# Allegro board MB1045.brd (continued)
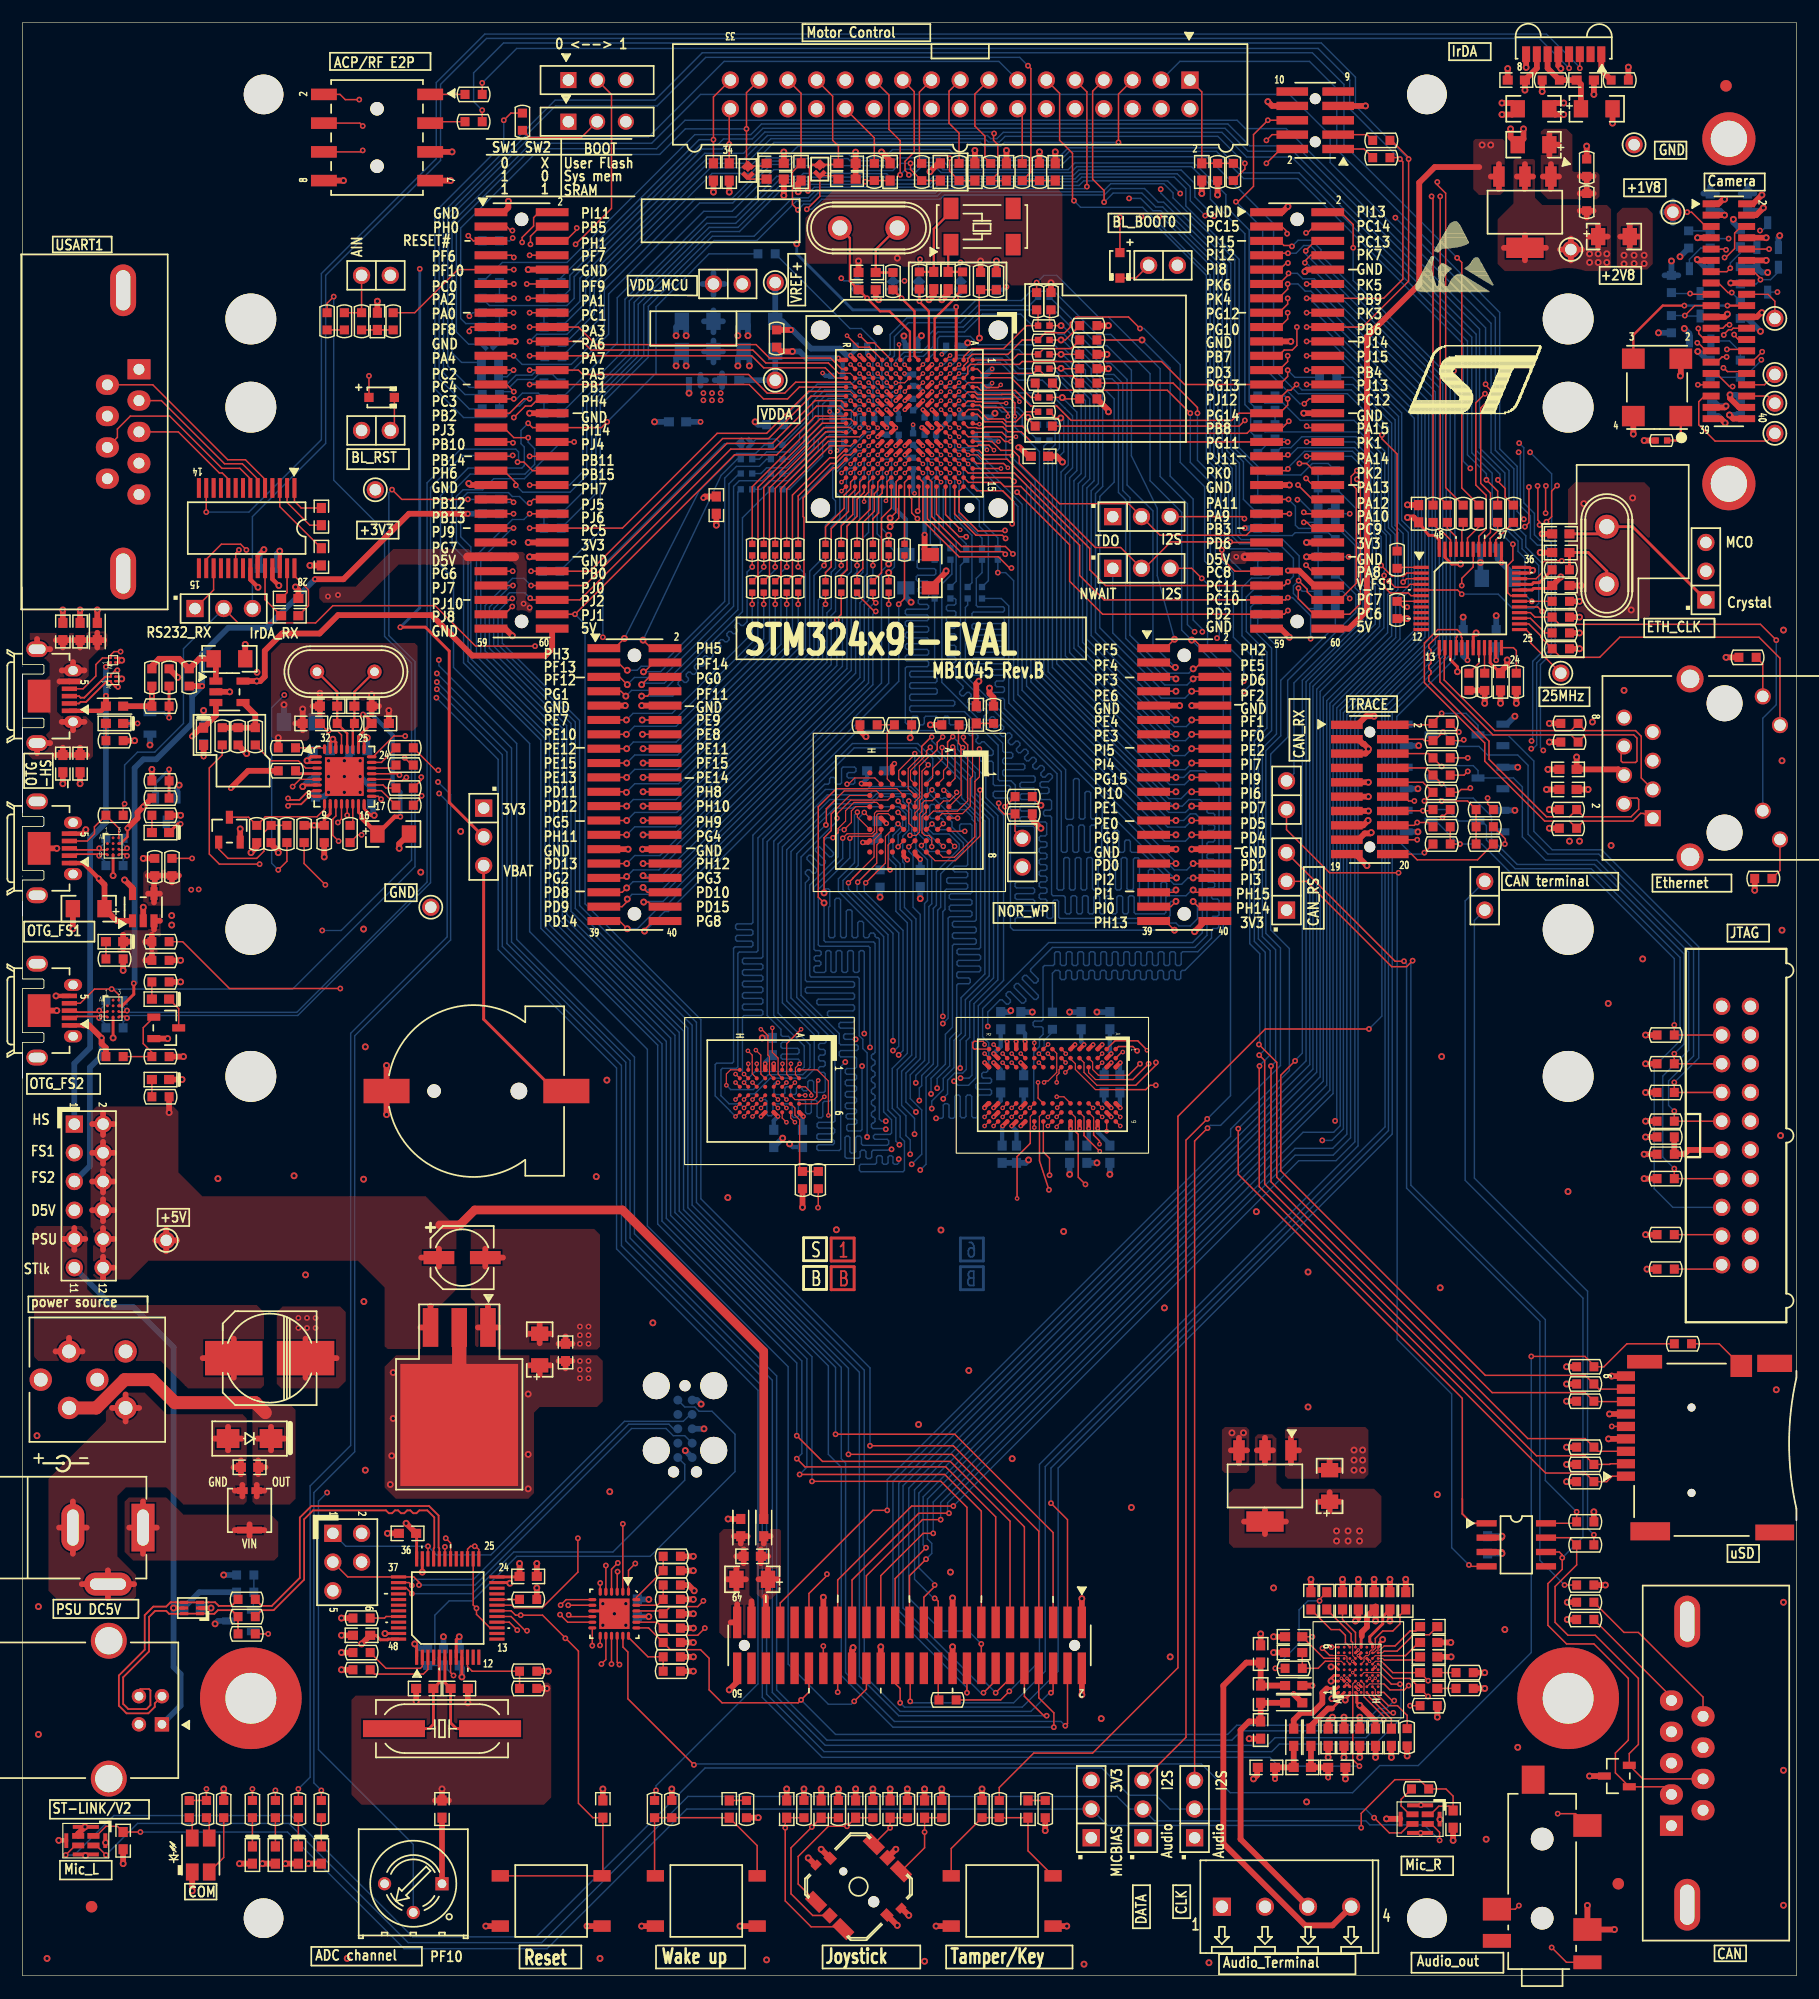
[diagram p0: board, top side]
## Routing (per net, layer and track width the routed paths; a pad name or vN(x,y) marks a point on that pad's centre or on a via; arc(x,y) is an arc through that point) (continued)
PF7: length 246.8
  TOP w0.089: 117.61,24.64 117.61,25.81 U17.D3
  TOP w0.127: CN6.8 v1(44.83,152.15) ; v1(118.21,18.53) 117.61,19.12 117.61,24.64 ; v2(74.04,145.03) 74.68,144.4 75.3,144.4 U3.K1
  L4_SIG w0.102: v2(74.04,145.03) 71.2,147.88 54.81,147.88 50.55,152.15 v1(44.83,152.15) 44.02,152.15 43.76,152.4 42.8,152.4 34.95,144.55 34.95,115.44 v1(36.63,113.77)
  BOTTOM w0.127: v1(36.63,113.77) 42.42,107.98 42.42,91.03 52.95,80.49 52.95,64.56 65.41,52.11 65.41,24.61 70.71,19.3 110.29,19.3 111.07,18.53 v1(118.21,18.53)
PF8: length 235.8
  TOP w0.127: v1(39.5,145.41) 39.5,145.63 39.66,145.8 CN6.17 v1(43.41,145.8) ; U17.G1 119.36,24.81 120.92,23.24 v1(121.2,23.24) ; v2(75.61,141.69) U3.L3
  L4_SIG w0.102: v2(75.61,141.69) 75.17,141.24 71.65,141.24 68.45,138.05 59.05,138.05 54.48,142.62 53.59,142.62 51.05,145.16 44.04,145.16 v1(43.41,145.8) ; v1(36.8,116.36) 36.35,116.81 36.35,142.27 v1(39.5,145.41)
  BOTTOM w0.127: v1(121.2,23.24) 120.22,23.24 118.62,21.65 107.76,21.65 106.93,20.83 71.12,20.83 66.67,25.27 66.67,53.04 54.1,65.61 54.1,81.23 43.69,91.65 43.69,108.97 36.8,115.85 v1(36.8,116.36)
PF9: length 241.7
  TOP w0.089: U17.E3 118.61,25.8 118.61,24.65 118.63,24.64
  TOP w0.127: v1(120.35,22.63) 120.35,22.92 118.63,24.64 ; v2(75.61,142.49) U3.L2 ; CN6.12 v1(44.58,149.61)
  L4_SIG w0.102: v2(75.61,142.49) 75.17,142.93 74.66,142.93 74.45,143.14 74.45,143.4 73.71,144.15 69.98,144.15 67.56,146.56 54.36,146.56 51.31,149.61 v1(44.58,149.61) 44.07,149.61 43.56,150.11 41.53,150.11 35.56,144.15 35.56,116.23 v1(36.63,115.16)
  BOTTOM w0.127: v1(120.35,22.63) 118.77,21.04 110.75,21.04 110.07,20.37 70.97,20.37 69.7,21.64 66.29,25.04 66.29,52.65 53.71,65.24 53.71,80.93 43.23,91.41 43.23,108.56 v1(36.63,115.16)
PF10: length 48.1
  TOP w0.127: R28.2 34.67,147.07 38.48,150.88 CN6.9 v1(43.43,150.88) ; v2(72.9,145.03) 73.91,144.02 74.88,144.02 U3.L1
  L4_SIG w0.102: v2(72.9,145.03) 70.87,147.07 54.48,147.07 51.31,150.24 44.07,150.24 v1(43.43,150.88)
PF11: length 109.6
  TOP w0.102: 90.26,74.66 U10.J9
  TOP w0.127: CN11.8 55.68,113.59 55.24,113.16 v4(54.74,113.16) ; R52.2 v1(64.52,124.59) ; 90.26,74.66 90.26,72.83 90.81,72.29 v1(90.81,70.79)
  L4_SIG w0.102: v1(90.81,70.79) 90.63,70.79 89.03,69.19 66.47,69.19 51.31,84.35 51.31,111.84 53.14,113.67 53.85,113.67 54.36,113.16 v4(54.74,113.16)
  BOTTOM w0.127: v1(64.52,124.59) 64.06,124.13 64.06,119.74 63.73,119.4 63.55,119.4 63.36,119.59 63.18,119.59 63,119.41 63,119.23 63.19,119.04 63.19,118.86 63.01,118.68 62.83,118.68 62.64,118.87 62.46,118.87 62.28,118.69 62.28,118.51 62.47,118.32 62.47,118.14 62.29,117.96 62.11,117.96 61.92,118.15 61.74,118.15 61.56,117.97 61.56,117.79 61.75,117.61 61.75,117.43 61.57,117.25 61.39,117.25 61.2,117.43 61.02,117.43 60.84,117.25 60.84,117.07 61.03,116.89 61.03,116.71 60.85,116.53 60.67,116.53 60.48,116.72 60.3,116.72 60.12,116.54 60.12,116.36 60.31,116.17 60.31,115.99 60.13,115.81 59.95,115.81 59.76,116 59.58,116 59.4,115.82 59.4,115.64 59.59,115.45 59.59,115.27 59.41,115.09 59.23,115.09 59.04,115.28 58.86,115.28 58.68,115.1 58.68,114.92 58.87,114.73 58.87,114.55 58.69,114.37 58.51,114.37 58.33,114.56 58.15,114.56 57.97,114.38 57.97,114.2 58.15,114.01 58.15,113.83 57.48,113.16 v4(54.74,113.16)
PG6: length 161.2
  TOP w0.127: v4(76.71,128.14) 77.47,128.91 77.47,131.55 U3.J15 ; CN6.51 v1(43.33,124.21) ; R192.1 v1(26.42,16.38)
  L4_SIG w0.102: v4(76.71,128.14) 76.45,128.14 74.68,126.36 74.68,123.7 73.91,122.94 64.01,122.94 62.48,124.46 49.91,124.46 49.2,123.75 44.65,123.75 44.2,124.21 v1(43.33,124.21) 42.8,123.67 42.8,112.62 37.24,107.06 37.24,106.07 v1(36.73,105.56)
  BOTTOM w0.127: v1(26.42,16.38) 25.76,17.04 25.76,42.72 29.36,46.33 29.36,83.11 37.85,91.59 37.85,104.44 v1(36.73,105.56)
PG7: length 166.1
  TOP w0.127: v4(76.71,128.91) 77.2,129.4 77.2,130.71 77.24,130.75 77.24,132.12 U3.J14 ; CN6.47 v1(43.41,126.75) ; R191.1 v1(24.38,16.51)
  L4_SIG w0.102: v4(76.71,128.91) 74.3,126.49 74.3,124.21 73.53,123.44 64.01,123.44 61.98,125.48 45.62,125.48 44.86,126.24 43.92,126.24 v1(43.41,126.75) 40.79,126.75 40.67,126.62 40.67,111.53 36.07,106.93 36.07,105.31 v1(36.83,104.55)
  BOTTOM w0.127: v1(24.38,16.51) 25.43,17.55 25.43,43.31 29.01,46.89 29.01,83.34 37.54,91.87 37.54,103.84 v1(36.83,104.55)
PG8: length 120.6
  TOP w0.102: v2(90.68,82.36) U10.J1
  TOP w0.127: v1(77.47,121.28) 77.98,121.79 R62.2 ; CN11.40 55.76,93.27 54.99,92.5 v4(54.99,92.38)
  L4_SIG w0.102: v4(54.99,92.38) 55.22,92.38 55.35,92.25 55.35,91.95 55.42,91.87 55.7,91.87 55.78,91.95 55.78,92.25 55.91,92.38 56.1,92.38 56.2,92.27 56.2,91.91 56.32,91.8 56.49,91.8 56.6,91.91 56.6,92.27 56.71,92.38 56.91,92.38 57.01,92.27 57.01,92.02 57.11,91.92 57.32,91.92 57.42,92.02 57.42,92.27 57.52,92.38 57.72,92.38 57.82,92.27 57.82,92.02 57.93,91.92 58.13,91.92 58.23,92.02 58.23,92.27 58.33,92.38 58.54,92.38 58.64,92.27 58.64,92.02 58.74,91.92 58.94,91.92 59.04,92.02 59.04,92.27 59.14,92.38 59.35,92.38 59.45,92.27 59.45,92.02 59.55,91.92 59.75,91.92 59.86,92.02 59.86,92.27 59.96,92.38 60.16,92.38 60.26,92.27 60.26,92.02 60.36,91.92 60.57,91.92 60.67,92.02 60.67,92.27 60.77,92.38 60.97,92.38 61.08,92.27 61.08,92.02 61.18,91.92 61.38,91.92 61.48,92.02 61.48,92.27 61.58,92.38 61.79,92.38 61.89,92.27 61.89,92.02 61.99,91.92 62.19,91.92 62.29,92.02 62.29,92.27 62.4,92.38 62.6,92.38 62.7,92.27 62.7,92.02 62.8,91.92 63.01,91.92 63.11,92.02 63.11,92.27 63.21,92.38 63.41,92.38 63.51,92.27 63.51,92.02 63.62,91.92 63.82,91.92 63.92,92.02 63.92,92.27 64.02,92.38 64.22,92.38 64.33,92.27 64.33,92.02 64.43,91.92 64.63,91.92 64.73,92.02 64.73,92.27 64.83,92.38 65.04,92.38 65.14,92.27 65.14,92.02 65.24,91.92 65.44,91.92 65.55,92.02 65.55,92.27 65.65,92.38 65.85,92.38 65.95,92.27 65.95,92.02 66.05,91.92 66.26,91.92 66.36,92.02 66.36,92.27 66.46,92.38 66.66,92.38 66.76,92.27 66.76,92.02 66.87,91.92 67.07,91.92 67.17,92.02 67.17,92.27 67.27,92.38 67.48,92.38 67.58,92.27 67.58,92.02 67.68,91.92 67.88,91.92 67.98,92.02 67.98,92.27 68.09,92.38 68.29,92.38 68.39,92.27 68.39,92.02 68.49,91.92 68.7,91.92 68.8,92.02 68.8,92.27 68.9,92.38 69.1,92.38 69.2,92.27 69.2,92.02 69.3,91.92 69.51,91.92 69.61,92.02 69.61,92.27 69.71,92.38 69.91,92.38 70.02,92.27 70.02,92.02 70.12,91.92 70.32,91.92 70.42,92.02 70.42,92.27 70.52,92.38 70.73,92.38 70.83,92.27 70.83,92.02 70.93,91.92 71.13,91.92 71.24,92.02 71.24,92.27 71.34,92.38 71.54,92.38 71.64,92.27 71.64,92.02 71.74,91.92 71.95,91.92 72.05,92.02 72.05,92.27 72.15,92.38 72.35,92.38 72.45,92.27 72.45,92.02 72.56,91.92 72.76,91.92 72.86,92.02 72.86,92.27 72.96,92.38 73.17,92.38 73.27,92.27 73.27,92.02 73.37,91.92 73.57,91.92 73.67,92.02 73.67,92.27 73.78,92.38 73.98,92.38 74.08,92.27 74.08,92.02 74.18,91.92 74.38,91.92 74.49,92.02 74.49,92.27 74.59,92.38 74.79,92.38 74.89,92.27 74.89,92.02 74.99,91.92 75.2,91.92 75.3,92.02 75.3,92.27 75.4,92.38 75.6,92.38 75.71,92.27 75.71,92.02 75.81,91.92 76.01,91.92 76.11,92.02 76.11,92.27 76.21,92.38 76.42,92.38 76.52,92.27 76.52,92.02 76.62,91.92 76.82,91.92 76.92,92.02 76.92,92.27 77.03,92.38 77.23,92.38 77.33,92.27 77.33,92.02 77.43,91.92 77.64,91.92 77.74,92.02 77.74,92.27 77.84,92.38 78.04,92.38 78.14,92.27 78.14,92.02 78.25,91.92 78.45,91.92 78.55,92.02 78.55,92.27 78.65,92.38 78.86,92.38 78.96,92.27 78.96,92.02 79.06,91.92 79.26,91.92 79.36,92.02 79.36,92.27 79.46,92.38 79.67,92.38 79.77,92.27 79.77,92.02 79.87,91.92 80.07,91.92 80.18,92.02 80.18,92.27 80.28,92.38 80.48,92.38 80.58,92.27 80.58,92.02 80.68,91.92 80.89,91.92 80.99,92.02 80.99,92.27 81.09,92.38 81.29,92.38 81.4,92.27 81.4,92.02 81.5,91.92 81.7,91.92 81.8,92.02 81.8,92.27 81.9,92.38 82.11,92.38 82.21,92.27 82.21,92.02 82.31,91.92 82.51,91.92 82.61,92.02 82.61,92.27 82.72,92.38 82.92,92.38 83.02,92.27 83.02,92.02 83.12,91.92 83.33,91.92 83.43,92.02 83.43,92.27 83.53,92.38 83.73,92.38 83.83,92.27 83.83,92.02 83.94,91.92 84.14,91.92 84.24,92.02 84.24,92.27 84.34,92.38 84.54,92.38 84.65,92.27 84.65,92.02 84.75,91.92 84.95,91.92 85.05,92.02 85.05,92.27 85.15,92.38 85.36,92.38 85.46,92.27 85.46,92.02 85.56,91.92 85.76,91.92 85.87,92.02 85.87,92.27 85.97,92.38 86.17,92.38 86.27,92.27 86.27,92.02 86.37,91.92 86.58,91.92 86.68,92.02 86.68,92.27 86.78,92.38 86.98,92.38 87.08,92.27 87.08,92.02 87.19,91.92 87.39,91.92 87.49,92.02 87.49,92.27 87.59,92.38 87.8,92.38 87.9,92.27 87.9,92.02 88,91.92 88.2,91.92 88.3,92.02 88.3,92.27 88.41,92.38 88.61,92.38 88.71,92.27 88.71,92.02 88.81,91.92 89.02,91.92 89.12,92.02 89.12,92.27 89.22,92.38 89.42,92.38 89.52,92.27 89.52,92.02 89.62,91.92 89.83,91.92 89.93,92.02 89.93,92.27 90.03,92.38 90.5,92.38 90.68,92.2 v2(90.68,82.36)
  BOTTOM w0.127: v1(77.47,121.28) 77.47,114.47 57.11,94.11 56.77,94.11 55.04,92.38 v4(54.99,92.38)
PG9: length 116.2
  TOP w0.127: R147.2 70.36,67.89 v1(70.33,67.92) ; v2(82.01,136.09) U3.D9 ; CN12.27 v4(101.98,100.89)
  L4_SIG w0.102: v1(70.33,67.92) 90.53,67.92 94.01,71.4 95.35,71.4 96.01,72.06 96.01,72.2 95.67,72.54 95.67,72.68 95.81,72.83 95.96,72.83 96.3,72.49 96.44,72.49 96.58,72.63 96.58,72.77 96.24,73.11 96.24,73.26 96.39,73.4 96.53,73.4 96.87,73.06 97.01,73.06 97.16,73.21 97.16,73.35 96.82,73.69 96.82,73.83 96.96,73.98 97.11,73.98 97.45,73.64 97.59,73.64 97.73,73.78 97.73,73.92 97.39,74.26 97.39,74.41 97.54,74.55 97.68,74.55 98.02,74.21 98.16,74.21 98.37,74.42 98.37,80.98 99.01,81.61 99.01,86.44 105,92.43 105,100.13 104.88,100.25 102.11,100.25 101.98,100.38 v4(101.98,100.89)
  BOTTOM w0.127: v4(101.98,100.89) 101.17,100.89 88.38,113.68 88.38,130.12 85.09,133.41 85.09,133.6 83.82,134.87 82.65,134.87 82.42,135.1 82.42,135.67 v2(82.01,136.09)
PG10: length 256.6
  TOP w0.127: v1(111.86,147.07) 111.86,146.51 111.15,145.8 CN7.17 ; R190.1 v1(22.35,16.38) ; U3.C8 v2(82.81,136.89)
  L4_SIG w0.102: v1(132.28,134.72) 132.23,134.72 130.84,136.12 130.84,141.16 125.51,146.48 113.36,146.48 112.78,147.07 v1(111.86,147.07) 111,147.07 108.08,144.15 95.76,144.15 92.46,140.84 90.42,140.84 89.66,140.08 87.5,140.08 86.87,139.45 86.36,139.45 85.45,138.53 85.45,137.13 84.76,136.45 83.25,136.45 v2(82.81,136.89) ; v1(133.43,109.19) 133.07,109.19 130.05,106.17 130.05,103.89 128.78,102.62 128.78,99.69 127.13,98.04 127.13,97.16 117.35,87.38 117.35,78.42 73.8,34.87 52.1,34.87 51.33,35.64 50.87,35.64 50.32,35.09 50.32,31.05 49.85,30.58 46.78,30.58 44.44,28.24 33.19,28.24 22.35,17.41 v1(22.35,16.38)
  BOTTOM w0.127: v1(133.43,109.19) 133.53,109.3 133.53,116.24 134.85,117.56 134.85,126.24 134.58,126.5 133.95,126.5 133.32,127.13 133.32,129.11 132.44,130 132.44,134.57 v1(132.28,134.72)
PG11: length 32.7
  TOP w0.127: v1(111.86,135.64) CN7.33 89.2,135.64 88.3,136.54 87.11,136.54 86.67,136.98 85.09,136.98 84.94,136.83 84.42,136.83 84.34,136.91 83.59,136.91 U3.B8
  BOTTOM w0.127: R249.1 109.97,135.37 110.23,135.37 R246.1 111.61,135.89 v1(111.86,135.64)
PG12: length 261.4
  TOP w0.127: CN7.15 111.1,147.07 111.86,147.83 v1(111.86,148.34) ; U3.C7 v2(82.01,138.49) ; R189.1 v1(20.32,16.51)
  L4_SIG w0.102: v1(133.4,108.51) 132.89,108.51 130.3,105.92 130.3,103.5 129.16,102.36 129.16,99.69 127.51,98.04 127.51,97.16 117.68,87.33 117.68,78.28 73.91,34.52 52.02,34.52 51.23,35.31 51,35.31 50.57,34.87 50.57,30.84 50.04,30.3 46.96,30.3 44.58,27.91 33.32,27.91 23.39,17.98 23.39,16.28 22.58,15.47 21.36,15.47 v1(20.32,16.51) ; v2(82.01,138.49) 82.45,138.05 82.93,138.05 85.09,140.21 86.61,140.21 87.25,140.84 89.28,140.84 91.19,142.75 92.08,142.75 96.14,146.81 109.35,146.81 110.87,148.34 v1(111.86,148.34) 112.88,148.34 113.49,147.73 124.85,147.73 131.17,141.41 131.17,136.7 v1(132.33,135.53)
  BOTTOM w0.127: v1(133.4,108.51) 133.55,108.51 133.88,108.84 133.88,116.09 135.18,117.38 135.18,126.7 134.92,126.95 134.16,126.95 133.68,127.43 133.68,129.31 132.74,130.25 132.74,135.13 v1(132.33,135.53)
PG13: length 34.4
  TOP w0.127: U3.B3 83.58,141.66 83.58,142.25 83.82,142.49 88.14,142.49 88.39,142.75 100.71,142.75 102.74,140.72 CN7.25 111.15,140.72 111.86,141.43 v1(111.86,141.99)
  BOTTOM w0.127: v1(111.86,141.99) 112.5,141.35 R233.1
PG14: length 31.4
  TOP w0.127: U3.A4 84.43,140.49 84.72,140.2 87.77,140.2 89.15,138.81 91.44,138.81 92.71,137.54 106.93,137.54 107.57,138.18 CN7.29 111.15,138.18 111.86,138.89 v1(111.86,139.45)
  BOTTOM w0.127: R236.1 111.61,139.7 v1(111.86,139.45)
PG15: length 116.7
  TOP w0.102: v2(89.06,76.74) U10.K7
  TOP w0.127: R42.2 91.35,137.76 v4(91.8,137.76) ; CN12.19 v4(101.98,105.97)
  BOTTOM w0.127: v2(89.06,76.74) 89.41,77.09 89.41,81.66 89.92,82.17 89.92,82.93 90.23,83.25 90.23,83.79 90.11,83.92 89.48,83.92 89.36,84.04 89.36,84.3 89.48,84.42 90.11,84.42 90.23,84.55 90.23,89.2 90.36,89.33 91.12,89.33 91.25,89.46 91.25,90.42 91.38,90.55 91.63,90.55 91.76,90.42 91.76,89.46 91.88,89.33 92.16,89.33 92.29,89.46 92.29,90.42 92.41,90.55 92.67,90.55 92.79,90.42 92.79,89.46 92.92,89.33 93.18,89.33 93.3,89.46 93.3,90.42 93.43,90.55 93.68,90.55 93.81,90.42 93.81,89.46 93.94,89.33 94.19,89.33 94.32,89.46 94.32,90.42 94.45,90.55 94.7,90.55 94.83,90.42 94.83,89.46 94.95,89.33 95.21,89.33 95.33,89.46 95.33,90.42 95.46,90.55 95.72,90.55 95.84,90.42 95.84,89.46 95.97,89.33 96.22,89.33 96.35,89.46 96.35,90.42 96.48,90.55 96.73,90.55 96.86,90.42 96.86,89.46 96.99,89.33 97.24,89.33 97.37,89.46 97.37,90.42 97.49,90.55 97.75,90.55 97.87,90.42 97.87,89.46 98,89.33 98.26,89.33 98.38,89.46 98.38,90.42 98.51,90.55 98.76,90.55 98.89,90.42 98.89,89.46 99.02,89.33 99.27,89.33 99.4,89.46 99.4,90.42 99.53,90.55 99.78,90.55 99.91,90.42 99.91,89.46 100.03,89.33 100.29,89.33 100.41,89.46 100.41,90.42 100.54,90.55 100.8,90.55 100.92,90.42 100.92,89.46 101.05,89.33 101.3,89.33 101.43,89.46 101.43,90.42 101.56,90.55 101.81,90.55 101.94,90.42 101.94,89.46 102.07,89.33 102.32,89.33 102.45,89.46 102.45,90.42 102.57,90.55 103.91,90.55 105.13,91.77 105.13,92.48 105.26,92.61 105.64,92.61 105.77,92.73 105.77,92.99 105.64,93.11 105.26,93.11 105.13,93.24 105.13,93.56 105.26,93.69 105.66,93.69 105.79,93.81 105.79,94.07 105.66,94.19 105.26,94.19 105.13,94.32 105.13,94.58 105.26,94.7 105.66,94.7 105.79,94.83 105.79,95.08 105.66,95.21 105.26,95.21 105.13,95.34 105.13,95.59 105.26,95.72 105.66,95.72 105.79,95.85 105.79,105.28 104.52,106.55 103.25,106.55 102.67,105.97 v4(101.98,105.97) 101.5,105.97 91.44,116.03 91.44,134.14 92.06,134.76 92.06,137.56 91.87,137.76 v4(91.8,137.76)
PH0: length 8.1
  TOP w0.203: U3.G1 78.87,143.23 78.87,147.19 v1(77.72,148.34) R20.1
  BOTTOM w0.203: v1(77.72,148.34) 77.17,148.89 SB5.1
PH1: length 15.9
  TOP w0.203: X2.1 73.15,153.67 73.15,149.86 C23.1 v1(74.68,148.34) 75.82,147.19 76.66,147.19 78.46,145.39 78.46,142.94 U3.H1
  BOTTOM w0.127: SB6.1 74.12,148.89 v1(74.68,148.34)
PH2: length 121.9
  TOP w0.127: v2(76.41,140.89) U3.K4 ; CN12.2 104.34,117.4 103.63,118.11 v4(103.38,118.11)
  BOTTOM w0.127: v2(76.41,140.89) 76.41,141.09 75.98,141.52 75.98,141.84 75.98,142.65 76.71,143.38 76.71,145.14 78.18,146.61 82.73,146.61 84.26,148.15 88.33,148.15 89.15,148.97 91.19,148.97 95.01,145.15 96.22,145.15 99.69,141.67 99.69,132.21 102.49,129.41 102.49,119 v4(103.38,118.11) 106.17,115.32 106.17,92.3 102.77,88.9 102.53,88.9 102.41,88.77 102.41,88.21 102.28,88.09 102.03,88.09 101.9,88.21 101.9,88.77 101.77,88.9 101.52,88.9 101.39,88.77 101.39,88.21 101.26,88.09 101.01,88.09 100.88,88.21 100.88,88.77 100.76,88.9 100.5,88.9 100.37,88.77 100.37,88.21 100.25,88.09 99.99,88.09 99.87,88.21 99.87,88.77 99.74,88.9 99.49,88.9 99.36,88.77 99.36,88.21 99.23,88.09 98.98,88.09 98.85,88.21 98.85,88.77 98.72,88.9 98.47,88.9 98.34,88.77 98.34,88.21 98.22,88.09 97.96,88.09 97.83,88.21 97.83,88.77 97.71,88.9 97.45,88.9 97.33,88.77 97.33,88.21 97.2,88.09 96.95,88.09 96.82,88.21 96.82,88.77 96.69,88.9 96.44,88.9 96.31,88.77 96.31,88.21 96.18,88.09 95.93,88.09 95.8,88.21 95.8,88.77 95.68,88.9 95.42,88.9 95.29,88.77 95.29,88.21 95.17,88.09 94.91,88.09 94.79,88.21 94.79,88.77 94.66,88.9 94.41,88.9 94.28,88.77 94.28,88.21 94.15,88.09 93.9,88.09 93.77,88.21 93.77,88.77 93.64,88.9 93.39,88.9 93.26,88.77 93.26,88.21 93.14,88.09 92.88,88.09 92.75,88.21 92.75,88.77 92.63,88.9 92.37,88.9 92.25,88.77 92.25,88.21 92.12,88.09 91.87,88.09 91.74,88.21 91.74,88.77 91.61,88.9 91.31,88.9 91.06,88.65 R301.2
PH3: length 113.9
  TOP w0.102: U10.J8 89.9,75.98 89.9,74.67 89.92,74.66
  TOP w0.127: CN11.1 52.35,117.4 v4(53.21,118.26) ; v1(90.75,69.49) 89.92,72.06 89.92,74.66
  L4_SIG w0.102: v1(90.75,69.49) 89.51,68.25 86.79,68.25 86.56,68.48 66.12,68.48 50.67,83.92 50.67,112.09 v4(53.21,118.26)
  BOTTOM w0.127: v4(53.21,118.26) 59.82,131.29 63.14,134.62 64.82,134.62 65.58,135.38 R248.1
PH4: length 109.9
  TOP w0.127: v1(43.43,137.79) 44.45,138.81 44.96,138.81 45.59,139.45 CN6.28 ; U3.H4 v2(78.01,140.09) ; v1(27.94,100.33) 27.43,100.84 27.43,102.29 27.7,102.56 U7.11
  L4_SIG w0.102: v2(78.01,140.09) 77.62,139.7 77.62,138.4 77.01,137.79 76.61,137.79 76.11,137.29 73.79,137.29 72.9,136.4 71.66,136.4 68.97,133.71 56.03,133.71 53.09,136.65 43.81,136.65 43.43,137.03 v1(43.43,137.79) 43.05,138.18 39.04,138.18 38.91,138.05 38.91,137.82 39.01,137.72 42.06,137.72 42.16,137.62 42.16,137.41 42.06,137.31 39.01,137.31 38.91,137.21 38.91,137.01 39.01,136.91 42.06,136.91 42.16,136.8 42.16,136.6 42.06,136.5 39.01,136.5 38.86,136.35 38.86,112.17 33.78,107.09 33.32,107.09 32.82,106.58 32.82,102.31 30.84,100.33 v1(27.94,100.33)
PH5: length 107.9
  TOP w0.102: 89.1,74.66 89.1,75.98 U10.K8
  TOP w0.127: v4(54.86,118.11) 55.58,117.4 CN11.2 ; v2(87.93,68.73) 87.93,72.44 89.1,73.61 89.1,74.66
  L4_SIG w0.102: v2(87.93,68.73) 87.83,68.83 66.27,68.83 51,84.1 51,112.09 53.07,117.23 53.95,118.11 v4(54.86,118.11)
  BOTTOM w0.127: R251.1 63.2,134.11 61.76,132.68 v4(54.86,118.11)
PH6: length 171.2
  TOP w0.127: v1(43.61,131.8) 43.61,132.03 42.55,133.1 CN6.37 ; R47.2 125.35,130.68 v1(125.35,157.35) ; v2(73.21,132.89) U3.P13
  L4_SIG w0.102: v2(73.21,132.89) 73.41,132.69 73.41,129.79 71.5,127.89 66.02,127.89 63.69,130.23 50.75,130.23 48.69,132.28 44.09,132.28 v1(43.61,131.8) ; v1(104.57,155.65) 105.05,155.17 107.85,155.17 110.03,157.35 123.83,157.35 124.26,156.92 124.92,156.92 v1(125.35,157.35)
  BOTTOM w0.127: v1(43.61,131.8) 44.22,131.19 48.41,131.19 49.89,132.66 49.89,139.17 54.08,143.36 54.08,147.98 60.71,154.61 63.25,154.61 67.19,158.55 69.06,158.55 69.22,158.7 73.79,158.7 74.19,159.11 76.15,159.11 76.81,158.45 80.24,158.45 80.7,158.9 93.07,158.9 93.51,159.35 102.09,159.35 103.25,158.19 103.25,156.97 v1(104.57,155.65)
PH7: length 166.6
  TOP w0.127: v2(74.01,132.89) U3.N13 ; v1(124.59,157.35) 124.71,157.23 R46.2 ; CN6.40 v1(44.83,131.83)
  L4_SIG w0.102: v1(124.59,157.35) 124.21,157.73 109.8,157.73 107.66,155.6 v1(105.36,155.6) ; v2(74.01,132.89) 74.01,129.71 71.81,127.51 65.87,127.51 63.53,129.84 50.44,129.84 48.46,131.83 v1(44.83,131.83)
  BOTTOM w0.127: v1(105.36,155.6) 103.66,157.3 103.66,158.47 102.45,159.68 93.39,159.68 92.86,159.16 80.57,159.16 80.21,158.8 76.96,158.8 76.4,159.36 73.81,159.36 73.51,159.05 69.19,159.05 68.97,158.84 66.92,158.84 63.05,154.97 60.5,154.97 53.64,148.11 53.64,143.43 49.53,139.31 49.53,132.99 48.36,131.83 v1(44.83,131.83)
PI4: length 125.1
  TOP w0.102: 93.09,74.66 93.09,75.91 U10.F8
  TOP w0.127: v1(93.98,69.98) 93.34,70.61 93.34,74.4 93.09,74.66 ; v2(82.81,141.69) U3.C3 ; CN12.17 v4(101.98,107.24)
  L4_SIG w0.102: v1(93.98,69.98) 94.49,69.98 99.75,75.23 99.75,79.4 99.87,79.53 100.59,79.53 100.69,79.43 100.69,78.61 100.79,78.51 101,78.51 101.1,78.61 101.1,79.43 101.2,79.53 101.4,79.53 101.51,79.43 101.51,78.61 101.61,78.51 101.81,78.51 101.91,78.61 101.91,79.43 102.01,79.53 102.22,79.53 102.32,79.43 102.32,78.61 102.42,78.51 102.62,78.51 102.72,78.61 102.72,79.43 102.83,79.53 103.03,79.53 103.13,79.43 103.13,78.61 103.23,78.51 103.44,78.51 103.54,78.61 103.54,79.43 103.64,79.53 103.84,79.53 103.94,79.43 103.94,78.61 104.05,78.51 104.25,78.51 104.35,78.61 104.35,79.43 104.45,79.53 104.65,79.53 104.76,79.43 104.76,78.61 104.86,78.51 105.06,78.51 105.16,78.61 105.16,79.43 105.26,79.53 105.47,79.53 105.57,79.43 105.57,78.61 105.67,78.51 105.87,78.51 105.98,78.61 105.98,79.43 106.08,79.53 106.2,79.53 106.32,79.4 106.32,78.64 106.45,78.51 106.65,78.51 106.78,78.64 106.78,79.86 106.68,79.96 106.22,79.96 106.12,80.06 106.12,80.27 106.22,80.37 106.68,80.37 106.78,80.47 106.78,80.67 106.68,80.78 106.22,80.78 106.12,80.88 106.12,81.08 106.22,81.18 106.68,81.18 106.78,81.28 106.78,105.79 104.85,107.72 102.46,107.72 v4(101.98,107.24)
  BOTTOM w0.127: v4(101.98,107.24) 101.68,107.24 92.2,116.71 92.2,132.72 92.84,133.35 92.84,137.96 92.16,138.63 92.16,138.63 91.38,139.41 91.38,139.89 90.17,141.1 88.01,141.1 86.44,142.67 84.5,142.67 83.52,141.69 v2(82.81,141.69)
PI5: length 124.5
  TOP w0.102: 97.73,78.36 94.87,78.36 93.09,80.14 93.09,80.64 92.66,81.08 U10.F2
  TOP w0.127: v1(100.2,78.74) 99.69,78.74 99.31,78.36 97.73,78.36 ; CN12.15 v4(101.98,108.51) ; v2(82.01,141.69) U3.D3
  L4_SIG w0.102: v1(100.2,78.74) 100.13,78.66 100.13,76.96 100.25,76.83 100.46,76.83 100.58,76.96 100.58,78.08 100.71,78.21 100.89,78.21 101.02,78.08 101.02,76.95 101.14,76.83 101.31,76.83 101.43,76.95 101.43,78.11 101.53,78.21 101.73,78.21 101.83,78.11 101.83,76.95 101.95,76.83 102.12,76.83 102.24,76.95 102.24,78.11 102.34,78.21 102.55,78.21 102.65,78.11 102.65,76.95 102.77,76.83 102.93,76.83 103.05,76.95 103.05,78.11 103.16,78.21 103.36,78.21 103.46,78.11 103.46,76.95 103.58,76.83 103.75,76.83 103.87,76.95 103.87,78.11 103.97,78.21 104.17,78.21 104.27,78.11 104.27,76.95 104.39,76.83 104.56,76.83 104.68,76.95 104.68,78.11 104.78,78.21 104.98,78.21 105.09,78.11 105.09,76.95 105.2,76.83 105.37,76.83 105.49,76.95 105.49,78.11 105.59,78.21 105.8,78.21 105.9,78.11 105.9,76.95 106.02,76.83 106.19,76.83 106.3,76.95 106.3,78.11 106.41,78.21 106.63,78.21 106.76,78.08 106.76,76.95 106.88,76.83 107.04,76.83 107.16,76.95 107.16,106.12 105.26,108.03 102.08,108.03 101.98,108.13 v4(101.98,108.51)
  BOTTOM w0.127: v2(82.01,141.69) 82.41,142.09 83.34,142.09 84.3,143.05 86.6,143.05 88.04,141.6 91.12,141.6 91.46,141.27 91.46,141.27 93.6,139.13 93.6,132.84 92.96,132.21 92.96,117.4 101.85,108.51 v4(101.98,108.51)
PI8: length 217.4
  TOP w0.127: U3.C2 v2(82.81,142.49) ; v1(60.2,33.15) 59.69,32.64 57.28,32.64 R167.2 56.39,32.25 U16.22 ; CN7.9 111.15,150.88 111.73,151.46 v1(111.89,151.46)
  L4_SIG w0.102: v1(133.3,134.72) 133.3,135.28 131.52,137.06 131.52,141.57 121.15,151.94 113.06,151.94 112.57,151.46 v1(111.89,151.46) 111.84,151.51 110.26,151.51 109.55,152.22 94.95,152.22 90.3,147.57 85.85,147.57 82.81,144.53 v2(82.81,142.49) ; v1(134.47,108.36) 132.37,106.26 131.53,106.26 130.68,105.41 130.68,103.25 129.54,102.11 129.54,99.57 127.76,97.79 127.76,96.9 118.11,87.25 118.11,78.28 73.99,34.16 61.21,34.16 v1(60.2,33.15)